# Altium PCB OpenPLCv0.2.0.PcbDoc (part 5 of 6) (continued)
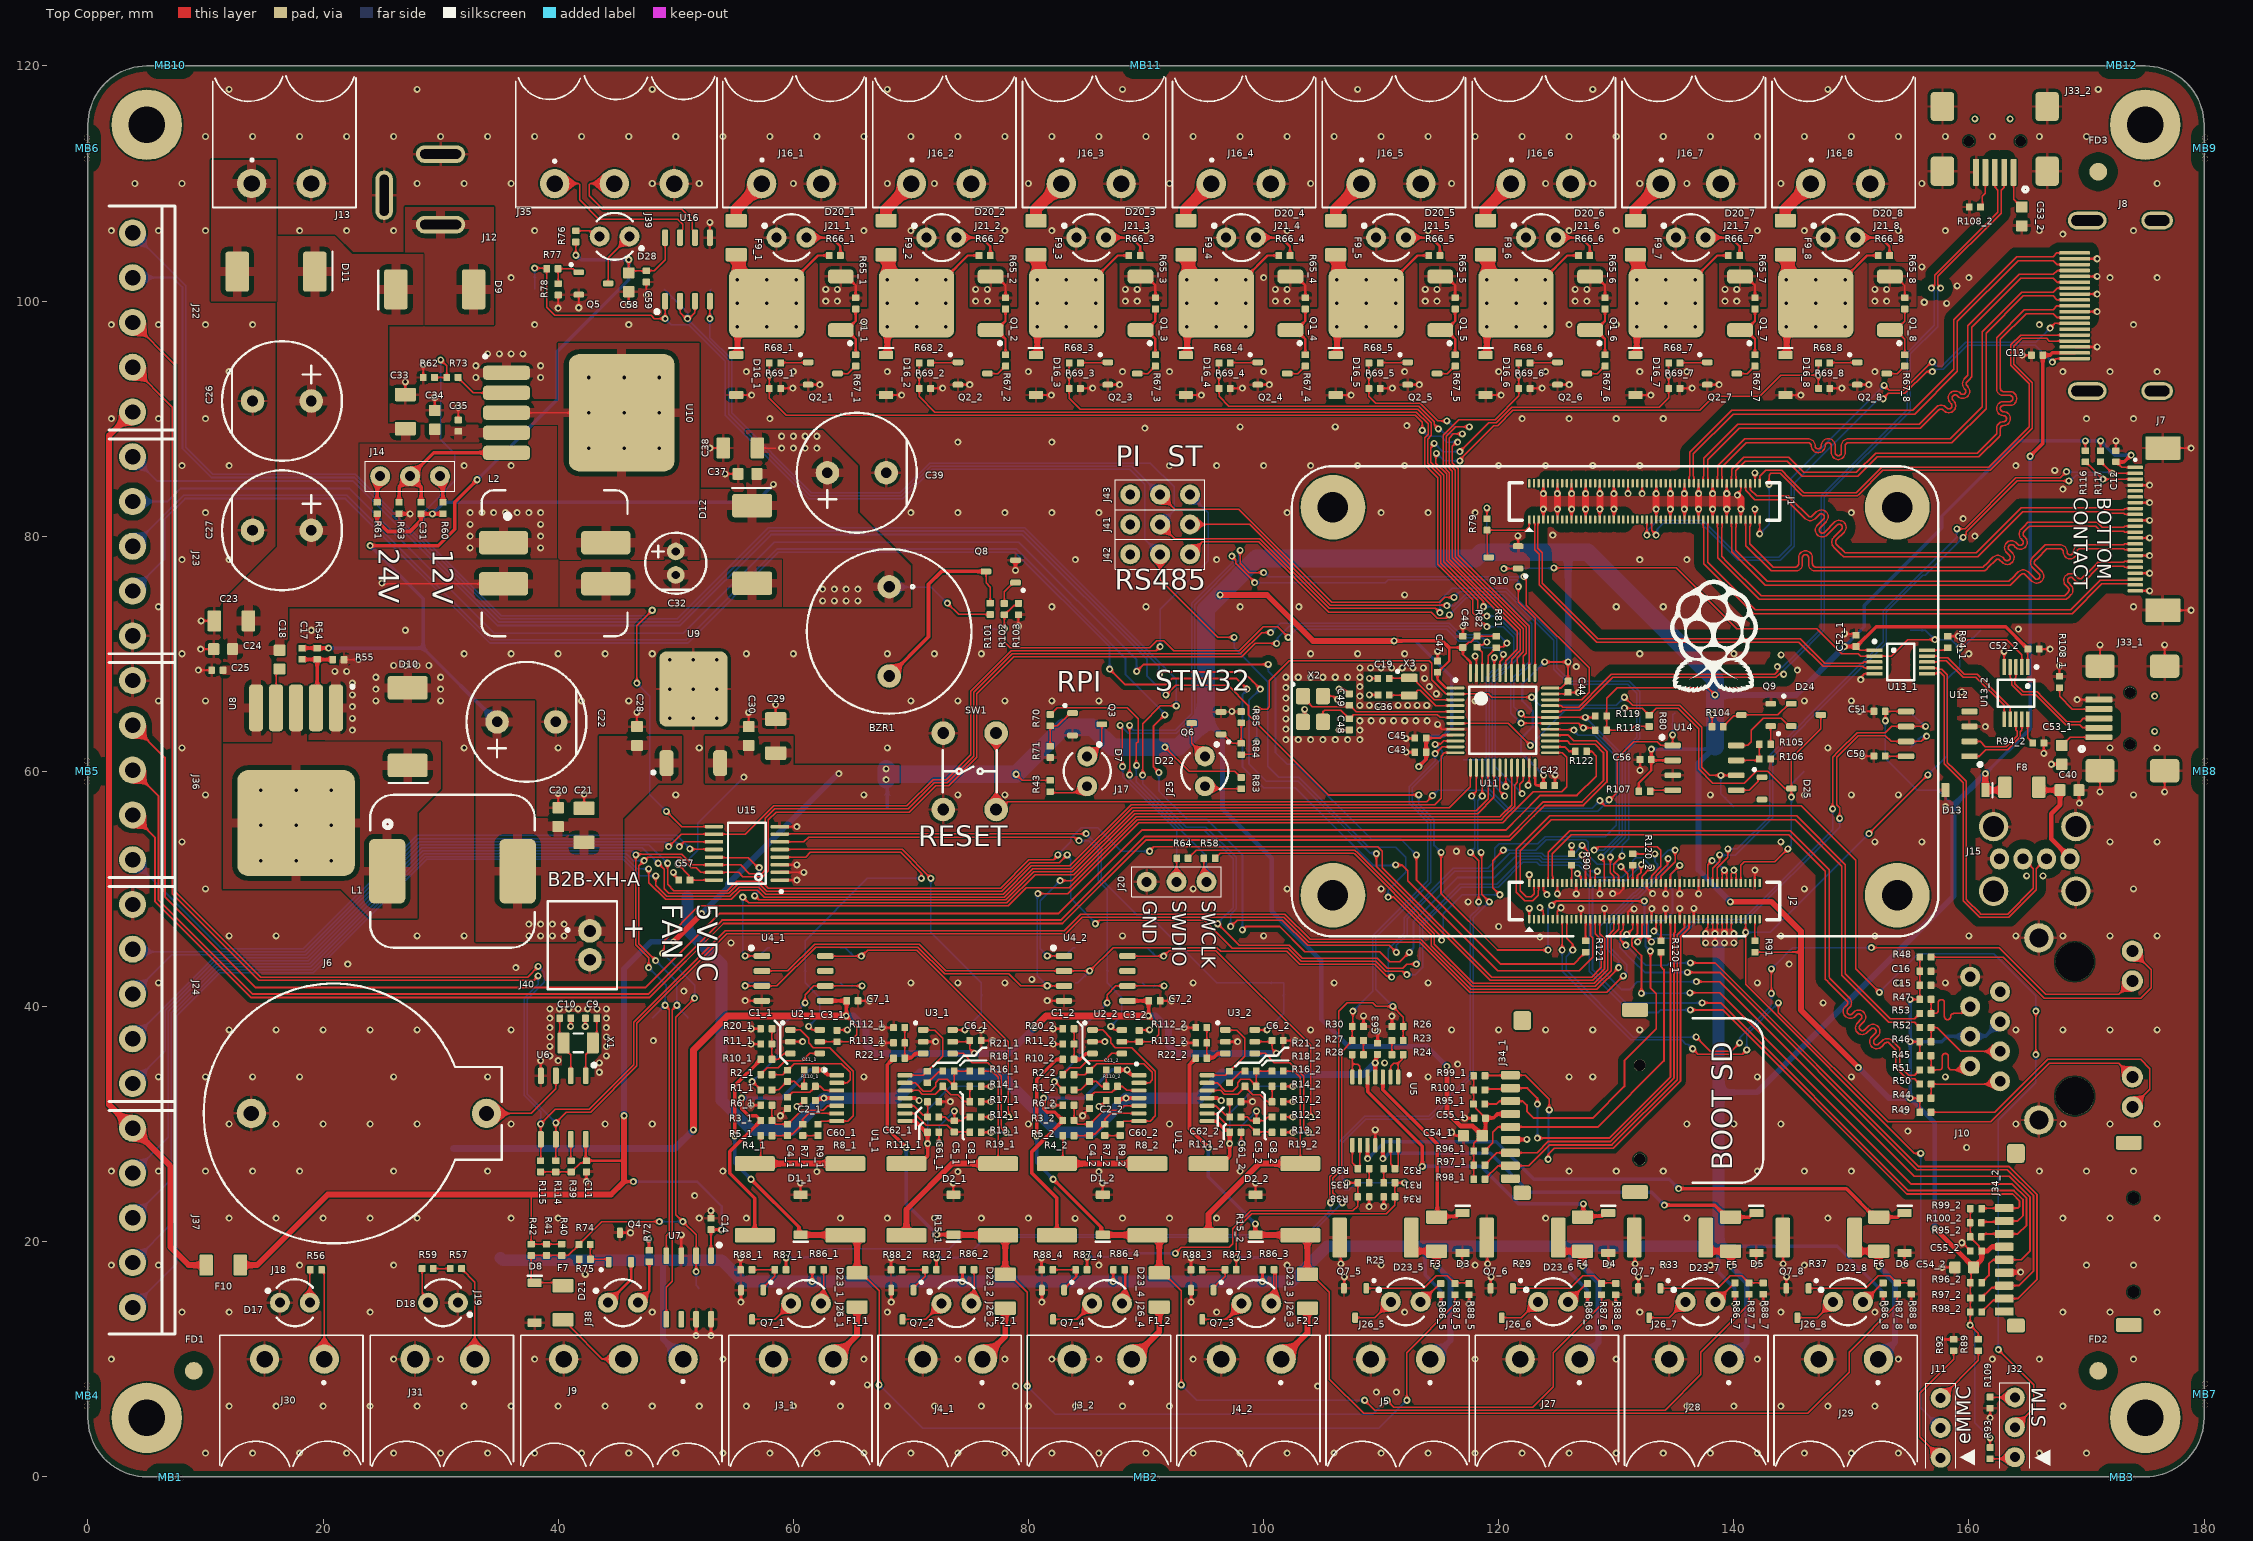
[diagram p0: Top Copper view]
## Nets (pads, with @x,y where several pads share a name; then routed paths per layer and width w, separated by ;. In a path a pad name is that pad's centre, name@x,y a point inside that pad or via, vN(x,y) a via of type N, cw(c..) or ccw(c..) an arc to the next point about the centre after c; other vN are vias at no path point) (continued)
  Top Copper w0.127: R68_7.1@135.419,94.727 135.449,94.758 137.722,94.758 Q2_7.1@137.753,94.788
NetQ2_7_3: Q2_7.3 R67_7.1 | length 1.8
  Top Copper w0.127: Q2_7.3@140.253,93.838 141.137,93.838 141.772,94.473 R67_7.1@141.797,94.473
NetQ2_8_1: Q2_8.1 R68_8.1 | length 2.4
  Top Copper w0.127: R68_8.1@148.168,94.727 148.198,94.758 150.471,94.758 Q2_8.1@150.502,94.788
NetQ2_8_3: Q2_8.3 R67_8.1 | length 1.8
  Top Copper w0.127: Q2_8.3@153.002,93.838 153.886,93.838 154.521,94.473 R67_8.1@154.546,94.473
NetQ3_1: Q3.1 R70.1 R71.2 | length 4.1
  Top Copper w0.127: R71.2@81.85,62.13 R70.1@81.85,63.87 82.47,63.87 83.55,64.95 Q3.1@83.75,64.95
NetQ4_1: Q4.1 R74.1 R75.2 | length 3
  Top Copper w0.127: R74.1@42.73,19.75 42.74,19.74 42.74,18.51 R75.2@42.75,18.5 44.118,18.5 44.3,18.318 Q4.1@44.3,18.25
NetQ5_1: Q5.1 R77.1 R78.2 | length 3.2
  Top Copper w0.127: R78.2@40,101.48 39.99,101.49 39.99,102.74 R77.1@39.98,102.75 41.25,102.75 41.55,102.45 Q5.1@41.75,102.45
NetQ6_1: Q6.1 R84.1 R85.2 | length 3.8
  Top Copper w0.127: Q6.1@96.38,63.147 96.58,63.147 97.347,62.38 R84.1@98.1,62.38 R85.2@98.1,64.12
NetQ7_1_1: Q7_1.1 R87_1.1 R88_1.2 | length 4.1
  Top Copper w0.127: R88_1.2@56.48,17.6 R87_1.1@58.42,17.6 58.42,17.057 57.44,16.077 Q7_1.1@57.44,15.877
NetQ7_2_1: Q7_2.1 R87_2.1 R88_2.2 | length 4.1
  Top Copper w0.127: R88_2.2@69.27,17.6 R87_2.1@71.21,17.6 71.21,17.057 70.23,16.077 Q7_2.1@70.23,15.877
NetQ7_3_1: Q7_3.1 R87_3.1 R88_3.2 | length 6
  Top Copper w0.127: R88_3.2@94.78,17.6 R87_3.1@96.72,17.6 96.72,17.057 95.74,16.077 Q7_3.1@95.74,15.877 ; R88_3.2@94.97,17.6 R87_3.1@96.91,17.6
NetQ7_4_1: Q7_4.1 R87_4.1 R88_4.2 | length 8
  Top Copper w0.127: R88_4.2@82.08,17.6 R87_4.1@84.02,17.6 84.02,16.997 83.287,16.264 83.26,16.264 83.04,16.044 Q7_4.1@83.04,16.016 ; R88_4.2@82.18,17.6 84.12,17.6 84.12,17.057 83.14,16.077 Q7_4.1@83.14,15.877
NetQ7_5_1: Q7_5.1 R87_5.1 R88_5.2 | length 9.4
  Top Copper w0.127: Q7_5.1@108.74,16.027 113.607,16.027 114.68,17.1 115.635,17.1 116.255,16.48 116.28,16.48 R88_5.2@117.48,16.48
NetQ7_6_1: Q7_6.1 R87_6.1 R88_6.2 | length 9.4
  Top Copper w0.127: Q7_6.1@121.21,16.027 126.077,16.027 127.15,17.1 128.105,17.1 128.725,16.48 128.75,16.48 R88_6.2@129.95,16.48
NetQ7_7_1: Q7_7.1 R87_7.1 R88_7.2 | length 9.4
  Top Copper w0.127: Q7_7.1@133.76,16.027 138.627,16.027 139.7,17.1 140.655,17.1 141.275,16.48 R87_7.1@141.3,16.48 R88_7.2@142.5,16.48
NetQ7_8_1: Q7_8.1 R87_8.1 R88_8.2 | length 9.4
  Top Copper w0.127: Q7_8.1@146.36,16.027 151.227,16.027 152.3,17.1 153.255,17.1 153.875,16.48 R87_8.1@153.9,16.48 R88_8.2@155.1,16.48
NetQ8_1: Q8.1 R102.2 | length 2.3
  Top Copper w0.127: R102.2@77.95,74.28 77.95,75.286 78.55,75.886 78.714,76.05 Q8.1@78.9,76.05
NetQ9_1: Q9.1 R105.2 | length 1.6
  Top Copper w0.127: R105.2@143.13,62.297 143.13,63.827 Q9.1@143.15,63.847
NetR4_1_1: R4_1.1 R5_1.2 R8_1.2 | length 9.6
  Top Copper w0.127: R4_1.1@57.22,27.128 R5_1.2@57.22,29
  Top Copper w0.5: R4_1.1@56.724,26.632 R8_1.2@64.424,26.632
NetR4_2_1: R4_2.1 R5_2.2 R8_2.2 | length 9.6
  Top Copper w0.127: R4_2.1@82.92,27.128 R5_2.2@82.92,29
  Top Copper w0.5: R4_2.1@82.424,26.632 R8_2.2@90.124,26.632
NetR7_1_1: R7_1.1 R9_1.1 | length 1.3
  Top Copper w0.127: R7_1.1@60.8,29.02 R9_1.1@62.1,29.02
NetR7_2_1: R7_2.1 R9_2.1 | length 1.3
  Top Copper w0.127: R7_2.1@86.5,29.02 R9_2.1@87.8,29.02
NetR15_1_1: R15_1.1 R16_1.2 R19_1.2 | length 20.6
  Top Copper w0.127: R16_1.2@75.98,34.5 76.9,34.5 77.424,33.976 R19_1.2@77.424,26.632
  Top Copper w0.5: R15_1.1@69.624,20.532 69.624,22.724 73.532,26.632 R19_1.2@77.424,26.632
NetR15_2_1: R15_2.1 R16_2.2 R19_2.2 | length 20.4
  Top Copper w0.127: R16_2.2@101.68,34.5 102.6,34.5 103.124,33.976 R19_2.2@103.124,26.632
  Top Copper w0.5: R15_2.1@95.324,20.532 95.324,22.324 99.632,26.632 R19_2.2@103.124,26.632
NetR18_1_1: R18_1.1 R21_1.1 | length 1.7
  Top Copper w0.127: R21_1.1@71.4,33.52 71.425,33.52 71.646,33.742 72.319,34.414 72.634,34.414 R18_1.1@72.72,34.5
NetR18_2_1: R18_2.1 R21_2.1 | length 1.7
  Top Copper w0.127: R21_2.1@97.1,33.52 97.125,33.52 97.346,33.742 98.019,34.414 98.334,34.414 R18_2.1@98.42,34.5
NetR23_2: R23.2 R24.2 | length 1.2
  Top Copper w0.127: R24.2@110.92,35.9 R23.2@110.92,37.1
NetR24_1: R24.1 U5.1 U5.2 | length 3.7
  Top Copper w0.127: U5.2@110.8,34 110.8,34.9 111.065,35.165 111.45,35.165 ; U5.1@111.45,34 111.45,35.165 ; R24.1@111.88,35.9 111.759,35.779 111.759,35.474 111.45,35.165
NetR27_2: R27.2 R28.2 | length 1.2
  Top Copper w0.127: R28.2@108.5,35.9 R27.2@108.5,37.1
NetR28_1: R28.1 U5.6 U5.7 | length 3.5
  Top Copper w0.127: R28.1@107.54,35.9 107.55,35.89 107.55,35.1 ; U5.7@107.55,34 107.55,35.1 ; U5.6@108.2,34 108.2,34.9 108,35.1 107.55,35.1
NetR31_2: R31.2 R32.2 | length 1.2
  Top Copper w0.127: R31.2@110.22,25 R32.2@110.22,26.2
NetR32_1: R32.1 U5.13 U5.14 | length 4.2
  Top Copper w0.127: U5.13@110.8,28.2 110.8,26.605 R32.1@111.18,26.225 ; R32.1@111.18,26.2 R32.1@111.18,26.225 ; U5.14@111.45,28.2 111.45,26.495 R32.1@111.18,26.225
NetR35_2: R35.2 R36.2 | length 1.2
  Top Copper w0.127: R35.2@108.98,25 R36.2@108.98,26.2
NetR36_1: R36.1 U5.8 U5.9 | length 4.3
  Top Copper w0.127: U5.8@107.55,28.2 107.55,26.695 108.02,26.225 R36.1@108.02,26.2 108.192,26.372 108.192,28.192 U5.9@108.2,28.2
NetR57_1: R57.1 R59.2 | length 1.4
  Top Copper w0.127: R59.2@29.38,17.7 R57.1@30.82,17.7
NetR73_2: R73.2 U10.2 | length 4.7
  Top Copper w0.127: R73.2@31.48,93.5 31.48,93.475 32.755,92.2 U10.2@35.6,92.2
NetR105_1: R105.1 R106.2 U14.7 | length 3.3
  Top Copper w0.127: U14.7@140.2,60.932 142.055,60.932 R106.2@142.17,61.047 R105.1@142.17,62.297
OSC32_IN: C19.2 U11.3 X3.1 | length 6.5
  Top Copper w0.127: C19.2@110.68,67.9 110.709,67.929 112.379,67.929 X3.1@112.4,67.95 112.728,67.95 113.011,67.667 113.011,67.595 114.526,66.08 U11.3@116.325,66.08
OSC32_OUT: C36.2 U11.4 X3.2 | length 6.4
  Top Copper w0.127: C36.2@110.7,66.5 110.729,66.471 112.379,66.471 X3.2@112.4,66.45 112.728,66.45 113.011,66.733 113.011,66.808 113.103,66.9 113.347,66.9 114.667,65.58 U11.4@116.325,65.58
OSC_IN: C48.2 U11.5 X2.1 | length 13.8
  Top Copper w0.127: X2.1@103.35,66.4 103.35,66.3 104.141,65.509 107.053,65.509 107.08,65.483 107.08,65.4 C48.2@107.3,65.62 107.325,65.62 107.865,65.08 U11.5@116.325,65.08
OSC_OUT: C49.2 U11.6 X2.3 | length 12.7
  Top Copper w0.127: X2.3@105.05,64.2 105.05,65.05 105.2,65.2 106.555,65.2 107.275,64.48 C49.2@107.3,64.48 107.325,64.48 107.671,64.826 114.774,64.826 115.02,64.58 U11.6@116.325,64.58
P\C\I\E\_\C\L\K\_\R\E\Q\: J1.2
P\C\I\E\_\C\L\K\_N: J1.12
P\C\I\E\_\C\L\K\_P: J1.10
P\C\I\E\_\R\S\T\: J1.9
P\C\I\E\_\R\X\_N: J1.18
P\C\I\E\_\R\X\_P: J1.16
P\C\I\E\_\T\X\_N: J1.24
P\C\I\E\_\T\X\_P: J1.22
P\F\O\: D25.1 U14.5 | length 2.7
  Top Copper w0.127: U14.5@140.2,58.392 141.295,58.392 142.079,59.176 142.079,59.315 142.261,59.497 D25.1@142.4,59.497
P\I\_\L\E\D\_\A\C\T\I\V\I\T\Y\: J2.21
P\I\_\L\E\D\_\P\W\R\: J2.95
PFI: R107.1 U14.4 | length 2
  Top Copper w0.127: R107.1@132.88,58.297 132.975,58.392 U14.4@134.8,58.392
PI_SPI_SCK: J23.4 R121.2 | length 154
  Top Copper w0.16: v1(89.2,68.5) 89.8,69.1 v1(100.4,69.1) ; v1(113,52.9) 113,50.761 120.161,43.6 126.38,43.6 127.17,44.39 127.17,44.415 127.375,44.62 R121.2@127.4,44.62
  Bottom Copper w0.16: J23.4@3.8,82.95 6.75,82.95 7.847,84.047 22.251,84.047 34.551,71.747 50.649,71.747 58.385,79.483 79.196,79.483 89.2,69.478 v1(89.2,68.5) ; v1(100.4,69.1) 100.4,68.5 101,67.9 101,61.6 102,60.6 102.8,60.6 109.2,54.2 111.7,54.2 v1(113,52.9)
PWM1: R68_1.2 R69_1.1 TP22_1.1 U11.38 | length 86.1
  Top Copper w0.127: R68_1.2@57.965,94.727 57.961,94.723 57.961,93.704 v1(57.957,93.7) 57.961,93.696 57.961,92.572 R69_1.1@57.965,92.568 57.965,91.735 59.4,90.3 112.9,90.3 113.5,89.7 v1(113.5,89) ; v1(116.5,88) 116.4,88 116.032,87.632 116.032,86.268 116.578,85.722 116.578,78.371 122.349,72.6 122.6,72.349 U11.38@122.6,68.355
  Bottom Copper w0.127: v1(113.5,89) 114,88.5 115.1,88.5 115.6,88 v1(116.5,88)
PWM2: R68_2.2 R69_2.1 TP22_2.1 U11.18 | length 86.8
  Top Copper w0.127: R68_2.2@70.714,94.727 70.71,94.723 70.71,93.704 v1(70.706,93.7) 70.71,93.696 70.71,92.572 R69_2.1@70.714,92.568 70.714,91.886 72.046,90.554 113.005,90.554 114,89.559 114,88.659 113.7,88.359 113.7,86.086 114.8,84.986 114.8,77.6 117.8,74.6 117.8,73.5 v1(119,72.3) ; U11.18@120.1,60.305 120.1,58.3 v1(120.5,57.9)
  Bottom Copper w0.127: v1(119,72.3) 120.4,72.3 121.3,71.4 121.3,70.018 119.192,67.91 119.192,59.208 v1(120.5,57.9)
PWM3: R68_3.2 R69_3.1 TP22_3.1 U11.19 | length 72.5
  Top Copper w0.127: R68_3.2@83.463,94.727 83.459,94.723 83.459,93.704 v1(83.455,93.7) 83.459,93.696 83.459,92.572 R69_3.1@83.463,92.568 83.463,91.737 84.392,90.808 113.11,90.808 114.277,89.642 114.277,88.577 113.954,88.254 113.954,86.191 115.054,85.091 115.054,77.705 118.2,74.559 118.2,73.7 118.63,73.27 118.93,73.27 v1(119,73.2) ; v1(120.6,58.7) U11.19@120.6,60.305
  Bottom Copper w0.127: v1(119,73.2) 119.859,73.2 120.459,72.6 121.454,71.605 121.554,71.505 121.554,69.913 119.446,67.805 119.446,59.854 v1(120.6,58.7)
PWM4: R68_4.2 R69_4.1 TP22_4.1 U11.39 | length 49.1
  Top Copper w0.127: R68_4.2@96.212,94.727 96.208,94.723 96.208,93.704 v1(96.204,93.7) 96.208,93.696 96.208,92.572 R69_4.1@96.212,92.568 96.212,91.888 97.038,91.062 113.216,91.062 114.531,89.747 114.531,89.483 v1(114.878,89.136) ; v1(116.903,88.705) 116.147,88.705 115.778,88.336 115.778,86.163 116.324,85.617 116.324,78.265 121.989,72.6 122.346,72.243 122.346,70.054 122.1,69.808 U11.39@122.1,68.355
  Bottom Copper w0.127: v1(114.878,89.136) 114.964,89.136 115.395,88.705 v1(116.903,88.705)
PWM5: R68_5.2 R69_5.1 TP22_5.1 U11.40 | length 37.8
  Top Copper w0.127: R68_5.2@108.961,94.727 108.957,94.723 108.957,93.704 v1(108.953,93.7) 108.957,93.696 108.957,92.572 R69_5.1@108.961,92.568 108.961,91.917 109.562,91.316 113.321,91.316 114.837,89.8 v1(115.6,89.8) ; v1(117.5,89.3) 116.341,89.3 115.524,88.483 115.524,86.058 116.07,85.512 116.07,78.16 121.63,72.6 122.092,72.138 122.092,70.159 121.6,69.667 U11.40@121.6,68.355
  Bottom Copper w0.127: v1(115.6,89.8) 115.675,89.8 116.175,89.3 v1(117.5,89.3)
PWM6: R68_6.2 R69_6.1 TP22_6.1 U11.41 | length 33.9
  Top Copper w0.127: U11.41@121.1,68.355 121.1,69.526 121.769,70.195 121.838,70.264 121.838,72.033 121.271,72.6 115.816,78.055 115.816,85.406 115.27,85.952 115.27,88.588 116.59,89.908 119.69,89.908 121.71,91.928 R69_6.1@121.71,92.568 121.706,92.572 121.706,93.696 v1(121.702,93.7) 121.706,93.704 121.706,94.723 R68_6.2@121.71,94.727
PWM7: R68_7.2 R69_7.1 TP22_7.1 U11.22 | length 62.8
  Top Copper w0.127: v1(114.5,87.9) 114.5,87.79 114.208,87.498 114.208,86.296 115.308,85.196 115.308,77.845 118.7,74.453 v1(118.7,74) ; v1(116.7,87.2) 119.154,89.654 119.795,89.654 121.095,90.954 133.654,90.954 134.459,91.759 R69_7.1@134.459,92.568 134.455,92.572 134.455,93.696 v1(134.451,93.7) 134.455,93.704 134.455,94.723 R68_7.2@134.459,94.727 ; v1(122,58.1) 122,58.211 121.8,58.411 121.8,58.919 122.1,59.219 U11.22@122.1,60.305
  Bottom Copper w0.127: v1(114.5,87.9) 114.545,87.9 115.245,87.2 v1(116.7,87.2) ; v1(118.7,74) 119.418,74 120.818,72.6 121.708,71.71 121.808,71.61 121.808,69.808 121.708,69.708 119.7,67.7 119.7,60.4 v1(122,58.1)
PWM8: R68_8.2 R69_8.1 TP22_8.1 U11.42 | length 60
  Top Copper w0.127: v1(114.699,87.053) 114.653,87.008 114.653,86.21 115.562,85.301 115.562,77.95 120.912,72.6 121.584,71.928 121.584,70.384 120.6,69.4 U11.42@120.6,68.355 ; v1(116.7,86.4) 116.7,86.506 119.594,89.4 119.9,89.4 121.2,90.7 137.1,90.7 138.3,91.9 142.2,91.9 144,93.7 v1(147.2,93.7) ; R69_8.1@147.208,92.568 147.204,92.572 147.204,93.696 v1(147.2,93.7) ; R68_8.2@147.208,94.727 147.204,94.723 147.204,93.704 v1(147.2,93.7)
  Bottom Copper w0.127: v1(114.699,87.053) 115.352,86.4 v1(116.7,86.4)
PWM9: R102.1 R103.2 TP42.1 U11.43 | length 53.3
  Top Copper w0.127: R103.2@79.15,74.28 78.965,74.095 78.75,74.095 77.975,73.32 R102.1@77.95,73.32 v1(77.95,72.166) 77.95,71.013 78.457,70.505 90.305,70.505 90.9,71.1 91.5,71.1 92.349,70.251 97.933,70.251 99.982,72.3 101.2,72.3 v1(102.1,71.4) ; U11.43@120.1,68.355 120.1,69.32 120.309,69.53 120.309,69.851 v1(120.4,69.942)
  Bottom Copper w0.127: TP42.1@76,72 76.085,72.085 77.869,72.085 v1(77.95,72.166) ; v1(102.1,71.4) 102.792,72.092 104.1,72.092 115.59,72.092 116.609,71.073 118.173,71.073 118.746,70.5 119.842,70.5 v1(120.4,69.942)
PWR_1: C53_1.2 J33_1.1 | length 3.4
  Top Copper w0.127: C53_1.2@167.9,62.2 167.925,62.2 168.625,62.9 J33_1.1@171.05,62.9
PWR_2: C53_2.2 J33_2.1 | length 3.3
  Top Copper w0.127: J33_2.1@163.8,110.95 163.8,108.675 164.475,108 C53_2.2@164.5,108
R\E\S\E\T\: D24.3 D25.3 J2.92 R80.1 TP26.1 U11.7 | length 58.1
  Top Copper w0.127: U11.7@116.315,64.09 U11.7@116.325,64.08 120.82,64.08 v1(122.7,62.2) ; v1(130.7,65.4) 130.754,65.346 132.209,65.346 132.775,64.78 R80.1@132.8,64.78 132.825,64.78 133.391,65.346 135.254,65.346 137,63.6 137,60.2 138.2,59 140.9,59 141.9,60 142.876,60 144.329,58.547 D25.3@144.9,58.547 ; J2.92@140.6,50.5 140.6,52 140.9,52.3 143.5,52.3 v1(144.6,53.4) ; v1(144.9,57.8) D25.3@144.9,58.547 ; D24.3@147.4,64.797 147.4,63.6 144.9,61.1 D25.3@144.9,58.547
  Bottom Copper w0.127: v1(122.7,62.2) 125.846,65.346 130.646,65.346 v1(130.7,65.4) ; v1(144.6,53.4) 144.6,53.458 144.9,53.758 v1(144.9,57.8) 144.9,58.9 TP26.1@146,60
R\S\T\: D24.1 Q9.3 R104.1 | length 6.6
  Top Copper w0.127: R104.1@139.11,63.797 139.11,63.822 140.009,64.721 140.574,64.721 Q9.3@140.65,64.797 143.75,64.797 144.7,65.747 D24.1@144.9,65.747
RESERVED1: J2.76
RESERVED2: J1.4
RESERVED3: J1.6
RS485_N: J35.1 U16.7 | length 14.3
  Top Copper w0.127: J35.1@39.7,109.995 41.752,109.995 41.827,109.921 41.827,108.604 43.457,106.973 50.157,106.973 50.587,106.544 50.587,106.105 50.365,105.883 U16.7@50.365,105.4
RS485_P: J35.2 U16.6 | length 14.3
  Top Copper w0.127: J35.2@44.78,109.995 42.728,109.995 42.654,109.921 42.654,108.946 43.8,107.8 50.5,107.8 51.414,106.887 51.414,106.105 51.635,105.883 U16.6@51.635,105.4
SD_CLK: J2.57 R120_1.2 | length 1.8
  Top Copper w0.16: R120_1.2@133.8,45.58 J2.57@133.8,47.42
SD_CLK_1: J34_1.5 R96_1.1 R120_1.1 | length 28.3
  Top Copper w0.16: R96_1.1@118.83,27.7 118.83,27.725 119.5,28.395 119.5,29.3 119.95,29.75 J34_1.5@121,29.75 128.45,29.75 134.06,35.36 134.06,43.14 133.8,43.4 133.8,43.9 R120_1.1@133.8,44.62
SD_CLK_2: J34_2.5 R96_2.1 R120_2.1 | length 69.4
  Top Copper w0.16: R120_2.1@131.4,52.98 131.401,52.981 v1(133.282,52.982) v1(133.282,52.982) ; v1(136.809,42.116) 138.802,42.1 155.349,25.553 163.424,25.553 165.2,23.777 165.2,19.2 164.45,18.45 J34_2.5@163,18.45 162.05,18.45 161.7,18.1 161.7,17.12 R96_2.1@161.08,16.5
  Bottom Copper w0.16: 128.895,42.997 130.463,41.429 131.129,41.429 131.8,42.1 136.793,42.1 v1(136.809,42.116) ; 128.899,43.001 128.6,43.3 128.6,46.8 131.475,49.675 131.592,49.675 133.507,51.59 133.507,52.114 133.282,52.339 v1(133.282,52.982)
SD_CMD: J2.62 J34_1.3 R95_1.1 | length 38.2
  Top Copper w0.16: R95_1.1@118.81,31.7 119.8,31.7 120.05,31.95 J34_1.3@121,31.95 122.05,31.95 122.4,31.6 122.4,31.1 123,30.5 128,30.5 130.7,33.2 130.7,35.4 133.4,38.1 133.4,41.071 132.9,41.571 v1(132.9,44.7) ; J2.62@134.6,50.5 134.6,51.2 v1(135.4,52)
  Bottom Copper w0.16: v1(132.9,44.7) 132.493,45.107 132.493,45.806 132.687,46 132.687,47.087 132.9,47.3 134.1,47.3 134.8,48 134.8,49.9 134.6,50.1 134.6,51.2 v1(135.4,52)
SD_DAT0: J2.63 J34_1.7 R97_1.1 | length 32.7
  Top Copper w0.16: R97_1.1@118.83,26.5 118.83,26.525 119.855,27.55 J34_1.7@121,27.55 123.262,27.55 124.225,28.513 128.501,28.513 129.519,28.513 134.907,33.901 134.907,34.919 134.907,43.9 134.907,46.207 135,46.3 J2.63@135,47.42
SD_DAT1: J2.67 J34_1.8 R98_1.1 | length 33.8
  Top Copper w0.16: R98_1.1@118.83,25.3 118.83,25.325 119.955,26.45 J34_1.8@121,26.45 122.568,26.45 124.344,28.226 128.62,28.226 129.638,28.226 135.194,33.782 135.194,34.8 135.194,43.9 135.194,46.088 135.8,46.694 J2.67@135.8,47.42
SD_DAT2: J2.69 J34_1.1 R99_1.1 | length 39.8
  Top Copper w0.16: R99_1.1@118.859,34.129 120.979,34.129 J34_1.1@121,34.15 122.25,34.15 124.3,32.1 v1(124.3,31.2) ; v1(124.2,27) 124.222,27.022 124.222,27.422 124.739,27.939 128.739,27.939 129.757,27.939 135.481,33.663 135.481,34.681 135.481,43.9 135.481,45.969 136.2,46.688 J2.69@136.2,47.42
  Bottom Copper w0.16: v1(124.2,27) 124.25,27.05 124.25,31.15 v1(124.3,31.2)
SD_DAT3: J2.61 J34_1.2 R100_1.1 | length 35.1
  Top Copper w0.16: R100_1.1@118.909,32.979 120.929,32.979 J34_1.2@121,33.05 122.45,33.05 123.3,32.2 v1(123.3,31.7) ; v1(123.3,28.8) 129.4,28.8 134.62,34.02 134.62,43.883 134.603,43.9 134.6,43.903 J2.61@134.6,47.42
  Bottom Copper w0.16: v1(123.3,28.8) v1(123.3,31.7)
SD_DAT4: J2.68
SD_DAT5: J2.64
SD_DAT6: J2.72
SD_DAT7: J2.70
SD_PWR_ON: J2.75
SD_VDD_OVERRIDE: J2.73
SPI2_SCK: R122.1 U11.26 | length 2.3
  Top Copper w0.16: U11.26@124.375,62.08 125.616,62.08 125.996,61.7 R122.1@126.52,61.7
SQW_OUT: R39.2 U6.7 | length 1.8
  Top Copper w0.127: U6.7@41.07,28.7 41.07,26.91 R39.2@41.1,26.88
STD: J11.1 R89.1 | length 5.4
  Top Copper w0.127: J11.1@157.6,6.69 160.8,9.89 R89.1@160.8,10.72
STM_GPIO1: U11.16 U15.13 | length 75.5
  Top Copper w0.127: U15.13@53.25,52.7 53.3,52.65 56.15,52.65 57,51.8 v1(57.1,51.8) ; v1(56.7,49.4) 56.756,49.4 57.102,49.054 78.054,49.054 80.454,51.454 83.741,51.454 88.949,56.662 118.103,56.662 119.1,57.659 U11.16@119.1,60.305
  Bottom Copper w0.127: v1(56.7,49.4) 56.7,49.475 57.1,49.875 v1(57.1,51.8)
STM_GPIO2: TP7.1 U4_1.1 U11.17 | length 79.2
  Top Copper w0.127: v1(55.7,49.3) 56.2,48.8 78.159,48.8 80.559,51.2 83.846,51.2 89.054,56.408 118.208,56.408 119.6,57.8 U11.17@119.6,60.305 ; v1(55.9,44.3) 55.906,44.294 57.317,44.294 U4_1.1@57.324,44.287
  Bottom Copper w0.127: v1(55.7,49.3) 55.7,44.586 55.9,44.386 v1(55.9,44.3) 55.957,44.3 57.122,44.3 57.822,45 TP7.1@58,45
STM_GPIO3: TP8.1 U4_1.2 U4_2.2 U11.29 | length 99.1
  Top Copper w0.127: U4_1.2@57.324,43.017 59.517,43.017 61.808,45.308 70.692,45.308 72.97,43.03 U4_2.2@83.011,43.03 ; U4_2.2@83.024,43.017 85.217,43.017 87.207,45.007 96.034,45.007 96.349,44.692 101.993,44.692 103.088,43.597 109.444,43.597 110.45,42.591 110.809,42.591 v1(110.9,42.5) ; U11.29@124.375,63.58 124.399,63.556 126.344,63.556 v1(126.4,63.5)
  Bottom Copper w0.127: TP8.1@84,42 84.187,42 v1(85.211,43.024) ; v1(110.9,42.5) 110.6,42.8 110.6,44.859 111.959,46.218 111.959,47.559 116.154,51.754 119.054,51.754 119.664,52.364 119.664,53.458 120.031,53.824 123.324,53.824 123.954,54.454 129.054,54.454 129.992,55.392 129.992,61.242 128.161,63.073 126.757,63.073 126.4,63.43 v1(126.4,63.5)
STM_GPIO4: TP9.1 U4_1.3 U4_2.3 U11.25 | length 93.1
  Top Copper w0.127: v1(55.9,41.76) 55.906,41.754 57.317,41.754 U4_1.3@57.324,41.747 58.606,41.747 61.913,45.054 70.587,45.054 72.865,42.776 78.324,42.776 79.34,41.76 v1(81.6,41.76) 81.606,41.754 83.017,41.754 U4_2.3@83.024,41.747 ; v1(80.8,49.6) 83.324,49.6 89.37,55.646 120.336,55.646 120.89,56.2 122.951,58.261 125.379,58.261 125.8,58.682 125.8,61.2 125.42,61.58 U11.25@124.375,61.58
  Bottom Copper w0.127: v1(55.9,41.76) 56.028,41.76 56.268,42 TP9.1@58,42 ; v1(80.8,49.6) 80.746,49.546 80.746,42.614 v1(81.6,41.76)
STM_GPIO5: TP21.1 U4_2.1 U11.20 | length 55.7
  Top Copper w0.127: v1(81.6,44.3) 81.606,44.294 83.017,44.294 U4_2.1@83.024,44.287 ; v1(82.7,50.7) 83.705,50.7 89.159,56.154 120.126,56.154 120.172,56.2 121.1,57.128 U11.20@121.1,60.305
  Bottom Copper w0.127: v1@81.557,44.343 81,44.9 81,49 v1(82.7,50.7) ; v1(81.6,44.3) 83.122,44.3 83.822,45 TP21.1@84,45
STM_UART3.TX: D8.2 F7.1 R40.1 R41.1 R42.1 R74.2 TP19.1 U7.2 U11.21 | length 131.8
  Top Copper w0.127: F7.1@40.4,16.25 40.15,16.5 D8.2@38,16.5 37.986,16.5 37.7,16.786 R42.1@37.7,18.82 R41.1@39,18.82 R40.1@40.3,18.82 40.865,18.82 41.77,19.725 R74.2@41.77,19.75 41.77,19.775 43.695,21.7 v1(48.6,21.7) ; v1(48.895,44.505) 48.895,44.619 49,44.724 49,45.6 51.946,48.546 78.264,48.546 79.818,50.1 83.464,50.1 89.264,55.9 120.231,55.9 120.531,56.2 121.354,57.023 121.354,58.832 121.6,59.078 U11.21@121.6,60.305 ; v1(51.6,40.7) 50,39.1 50,22.3 v1(50.6,21.7) 51.735,20.565 v1(51.735,17.435)
  Bottom Copper w0.127: v1(48.6,21.7) v1(50.6,21.7) ; v1(48.895,44.505) 51.6,41.8 v1(51.6,40.7) ; v1(51.735,17.435) 51.735,16.265 TP19.1@52,16
STM_USB_MCU.DATA_N: J33_2.2 U11.32 | length 71.9
  Top Copper w0.127: U11.32@124.375,65.08 125.28,65.08 125.401,65.201 126.901,65.201 128.9,67.2 129.7,68 143.575,68 143.852,68.277 144.223,68.277 v1(144.243,68.257) ; v1(157.6,101.1) 157.6,101.143 157.357,101.386 157.357,102.094 162.728,107.465 162.728,109.428 162.984,109.684 162.984,110.934 J33_2.2@163,110.95
  Bottom Copper w0.127: v1(144.243,68.257) 144.284,68.298 144.284,68.62 144.309,68.645 145.214,69.55 147.7,72.037 147.7,83.337 155,90.637 155,95.5 157.328,97.828 157.328,100.818 157.6,101.09 v1(157.6,101.1)
STM_USB_MCU.DATA_P: J33_2.3 U11.33 | length 71.5
  Top Copper w0.127: U11.33@124.375,65.58 125.32,65.58 125.442,65.458 126.795,65.458 128.9,67.563 129.594,68.257 143.468,68.257 143.72,68.509 143.72,68.88 v1(143.7,68.9) ; v1(156.8,101.1) 157.1,101.4 157.1,102.2 162.471,107.571 162.471,109.433 162.22,109.684 162.22,110.93 J33_2.3@162.2,110.95
  Bottom Copper w0.127: v1(143.7,68.9) 143.72,68.88 144.18,68.88 145.107,69.807 147.443,72.143 147.443,83.443 154.743,90.743 154.743,95.606 157.071,97.935 157.071,100.818 156.8,101.09 v1(156.8,101.1)
STM_USB_MCU.ID: J33_2.4 R108_2.2 | length 3.1
  Top Copper w0.127: R108_2.2@160.98,108.025 161.144,108.189 161.144,108.8 161.144,108.899 161.4,109.155 J33_2.4@161.4,110.95
SW_5V: D10.2 L1.1 U8.3 U8.6
  other v2: 14.7,52.4 17.7,52.4 20.7,52.4 14.7,55.4 17.7,55.4 20.7,55.4 14.7,58.4 17.7,58.4 20.7,58.4
SW_24V: C32.1 L2.4 U10.3 U10.6 | length 9.8
  Top Copper w0.127: U10.3@35.6,90.5 v2(42.6,90.5) U10.6@45.4,90.5
  other v2: 42.6,87.5 45.6,87.5 48.6,87.5 45.6,90.5 48.6,90.5 42.6,93.5 45.6,93.5 48.6,93.5
SWD_SWCLK: J20.1 R58.1 U11.37 | length 73.2
  Top Copper w0.127: v1(88.6,63.9) 88.6,59.7 v1(88.604,59.696) ; R58.1@94.92,52.6 94.92,50.82 J20.1@95.14,50.6 ; v1(97.3,78.3) 97.646,77.954 97.646,77.695 99.238,76.103 v1(99.238,76.058) ; v1(121.673,75.715) 121.673,74.427 123.1,73 U11.37@123.1,68.355
  Bottom Copper w0.127: v1(88.6,63.9) 88.6,63.808 88.928,63.48 92.48,63.48 93.9,64.9 93.9,74.289 97.382,77.771 97.382,77.898 97.381,78.219 v1(97.3,78.3) ; v1(88.604,59.696) 88.681,59.619 88.681,59.258 95.14,52.799 J20.1@95.14,50.6 ; v1(99.238,76.058) 110.362,76.058 110.604,76.3 121.599,76.3 121.673,76.226 v1(121.673,75.715)
SWD_SWDIO: J20.2 R64.1 U11.34 | length 81.6
  Top Copper w0.127: v1(87.8,63.9) 87.8,63.772 88,63.572 v1(88,60.4) ; J20.2@92.6,50.6 92.6,52.58 R64.1@92.62,52.6 ; v1(98,78.8) 98,77.7 98.795,76.905 v1(100.003,76.905) ; v1(122.154,76.554) 122.154,76.443 122.354,76.243 122.354,74.146 127.7,68.8 127.7,66.723 127.057,66.08 U11.34@124.375,66.08
  Bottom Copper w0.127: v1(87.8,63.9) 88.474,63.226 92.585,63.226 94.159,64.8 94.159,74.19 97.909,77.94 97.909,78.709 v1(98,78.8) ; v1(88,60.4) 88.034,60.366 88.034,59.546 92.6,54.98 J20.2@92.6,50.6 ; v1(100.003,76.905) 100.11,76.905 100.46,76.554 v1(122.154,76.554)
USB.DATA_1_N: J33_1.2 U13_2.4 | length 10.5
  Top Copper w0.127: U13_2.4@163.5,68.875 163.5,67.947 163.647,67.8 163.647,67.353 164.5,66.5 165.7,66.5 166.3,65.9 168.228,63.972 169.152,63.972 169.428,63.972 169.684,63.716 171.034,63.716 J33_1.2@171.05,63.7
USB.DATA_1_P: J33_1.3 U13_2.3 | length 10.1
  Top Copper w0.127: U13_2.3@164,68.875 164,67.963 163.904,67.867 163.904,67.459 164.606,66.757 165.806,66.757 166.3,66.263 168.335,64.229 169.152,64.229 169.463,64.229 169.735,64.5 J33_1.3@171.05,64.5
USB.DATA_N: J15.2 U13_1.6 | length 32.2
  Top Copper w0.127: U13_1.6@156.425,68.3 156.441,68.316 157.216,68.316 157.322,68.422 157.579,68.422 157.9,68.1 157.9,60.637 158.337,60.2 159.5,59.037 159.5,49 159.9,48.6 160.5,48 160.9,47.6 163.4,47.6 165.728,49.928 165.728,51.728 166.55,52.55 J15.2@166.6,52.55
USB.DATA_P: J15.3 U13_1.7 | length 31.8
  Top Copper w0.127: U13_1.7@156.425,68.8 156.441,68.784 157.216,68.784 157.321,68.679 157.685,68.679 158.157,68.206 158.157,60.743 158.7,60.2 159.757,59.143 159.757,49.106 159.9,48.963 160.863,48 161.006,47.857 163.294,47.857 165.471,50.035 165.471,51.729 164.65,52.55 J15.3@164.6,52.55
USB.ID_1: J33_1.4 R108_1.2 | length 4.5
  Top Copper w0.127: R108_1.2@167.725,67.12 167.725,66.375 168.8,65.3 169.152,65.3 J33_1.4@171.05,65.3
USB_1_D_2_N: U13_1.8 U13_2.6 | length 9.4
  Top Copper w0.127: U13_1.8@156.425,69.3 157.325,69.3 157.446,69.422 158.078,69.422 159.5,68 160.6,68 163,65.6 U13_2.6@163,64.425
USB_1_D_2_P: U13_1.9 U13_2.7 | length 9.9
  Top Copper w0.127: U13_1.9@156.425,69.8 157.3,69.8 157.422,69.679 158.185,69.679 159.606,68.257 160.706,68.257 162.691,66.273 163.5,65.463 U13_2.7@163.5,64.425
USB_2_D_2_N: U12.2 U13_2.8 | length 6.1
  Top Copper w0.127: U12.2@160.05,62.55 160.95,62.55 161.4,62.1 163.194,62.1 164.121,63.028 164.121,63.404 164,63.525 U13_2.8@164,64.425
USB_2_D_2_P: U12.1 U13_2.9 | length 6.6
  Top Copper w0.127: U12.1@160.05,61.28 160.88,61.28 161.443,61.843 163.3,61.843 164.378,62.921 164.378,63.378 164.5,63.5 U13_2.9@164.5,64.425
USB_COM_D_1_N: J1.3 U13_1.4 | length 37.2
  Top Copper w0.127: J1.3@123,81.42 123,81.17 123.072,81.098 123.072,78.868 123.455,78.485 123.455,77.8 123.455,75.882 126.737,72.6 128.337,71 128.9,71 145.537,71 147.615,68.921 148.658,68.921 148.9,68.921 149.006,68.921 150.497,68.921 150.978,68.922 151.1,68.8 U13_1.4@151.975,68.8
USB_COM_D_1_P: J1.5 U13_1.3 | length 36.8
  Top Copper w0.127: J1.5@123.4,81.42 123.4,81.17 123.329,81.098 123.329,78.974 123.712,78.591 123.712,77.8 123.712,75.989 127.1,72.6 128.443,71.257 128.9,71.257 145.643,71.257 147.722,69.178 148.764,69.178 148.9,69.178 150.39,69.179 150.603,69.179 150.979,69.179 151.1,69.3 U13_1.3@151.975,69.3
USB_OTG.ID: J1.1 Q10.3 R79.2 | length 6.7
  Top Copper w0.127: R79.2@119,80.52 120.2,80.52 122.32,80.52 122.6,80.8 J1.1@122.6,81.42 ; R79.2@119.039,80.481 119.039,78.311 Q10.3@119.15,78.2
V3: C50.2 U12.8 | length 1.7
  Top Copper w0.127: C50.2@152.9,61.28 U12.8@154.65,61.28
VBUS_A: C40.2 F8.2 J15.1 | length 8.7
  Top Copper w0.4: F8.2@165.95,58.65 166.2,58.4 C40.2@167.75,58.4 167.75,57.15 167,56.4 167,54.25 168.6,52.65 J15.1@168.6,52.55
VCOIN: J6.1 U6.3 | length 7.9
  Top Copper w0.127: J6.1@33.9,30.9 37.7,30.9 39.8,33 U6.3@39.8,34.1
VDAC_COMP: J1.11
VIN: C18.2 C23.2 C24.2 C25.2 C26.1 C27.1 C33.2 C34.2 C35.2 D9.2 D11.2 L2.2 TP1.1 U8.5 U10.4 | length 11.1
  Top Copper w0.127: v1@24.75,75.95 L2.2@35.35,75.95 ; C33.2@27,89.15 C33.2@27.255,88.895 ; U10.4@35.505,88.895 U10.4@35.6,88.8
  other v1: 25,76
VIN_JACK: D9.1 J12.4
VIN_TERM: D11.1 J13.1
W\D\O\: D24.2 U14.8 | length 6.5
  Top Copper w0.127: U14.8@140.2,62.202 141.202,62.202 141.5,62.5 141.5,63.5 142.5,64.5 144.047,64.5 144.7,63.847 D24.2@144.9,63.847
W\L\_\D\I\S\A\B\L\E\: J2.89
X1: C9.2 U6.1 X1.1 | length 5.3
  Top Copper w0.127: U6.1@42.34,34.1 42.34,35.89 42.95,36.5 X1.1@42.95,36.9 43.28,37.23 C9.2@43.28,39
X2: C10.2 U6.2 X1.2 | length 5.3
  Top Copper w0.127: C10.2@40.12,39 40.12,37.23 X1.2@40.45,36.9 40.45,36.5 41.07,35.88 U6.2@41.07,34.1
pads on no net: D25.2 FD1.FID FD2.FID FD3.FID J2.16 J7.5 J7.6 J8.0 J8.14 J10.0@169,32.37 J10.0@169,43.8 J10.7 J33_1.NC J33_2.NC J34_1.CD J34_1.NC J34_1.S1 J34_1.S2 J34_1.S3 J34_1.S4 J34_2.CD J34_2.NC J34_2.S1 J34_2.S2 J34_2.S3 J34_2.S4 J41.3 J42.3 J43.3 MB1.NC MB2.NC MB3.NC MB4.NC MB5.NC MB6.NC MB7.NC MB8.NC MB9.NC MB10.NC MB11.NC MB12.NC U4_1.7 U4_2.7 U7.6 U12.4
copper on no net:
  other v1: 175.8,63.4 175.8,66.4 160.5,115.5 163.5,115.5

## Polygon pours and split planes (outlines as drawn)
GND on Top Copper "NONET_L03_P-001" (solid, remove dead copper, pour order 34): 0,115 cw(c5,115) 5,120 175,120 cw(c175,115) 180,115 180,5 cw(c175,5) 175,0 5,0 cw(c5,5) 0,5
SW_24V on Top Copper "POWER_ID2" (solid, remove dead copper, pour order 7): 40,96.4 40,91.5 33,91.5 33,89.5 40,89.5 40,78 52,78 52,96.4
3V3 on Top Copper "POWER_ID2" (solid, remove dead copper, pour order 14): 52.5,63 52.5,59 69,59 69,60.5 60,60.5 60,63
24V on Top Copper "POWER_ID2" (solid, remove dead copper, pour order 11): 52,84 56,84 56,89 62.5,89 65.5,86 65.5,82 70,77.5 70,74 59,74 59,78 52,78
VIN on Top Copper "POWER_ID2" (solid, remove dead copper, pour order 5): 16.1,105.5 21,105.5 22.5,104 28.5,104 28.5,98 25.5,98 25.5,89.5 38,89.5 38,88 23,88 23,78 40,78 40,74 17,74 17,69.5 15.6,69.5 15.6,62.5 11.5,62.5 11.5,74.5 16.1,79.1